# Altium PCB AccessControl_V1.0.1.PcbDoc (part 1 of 3) (continued)
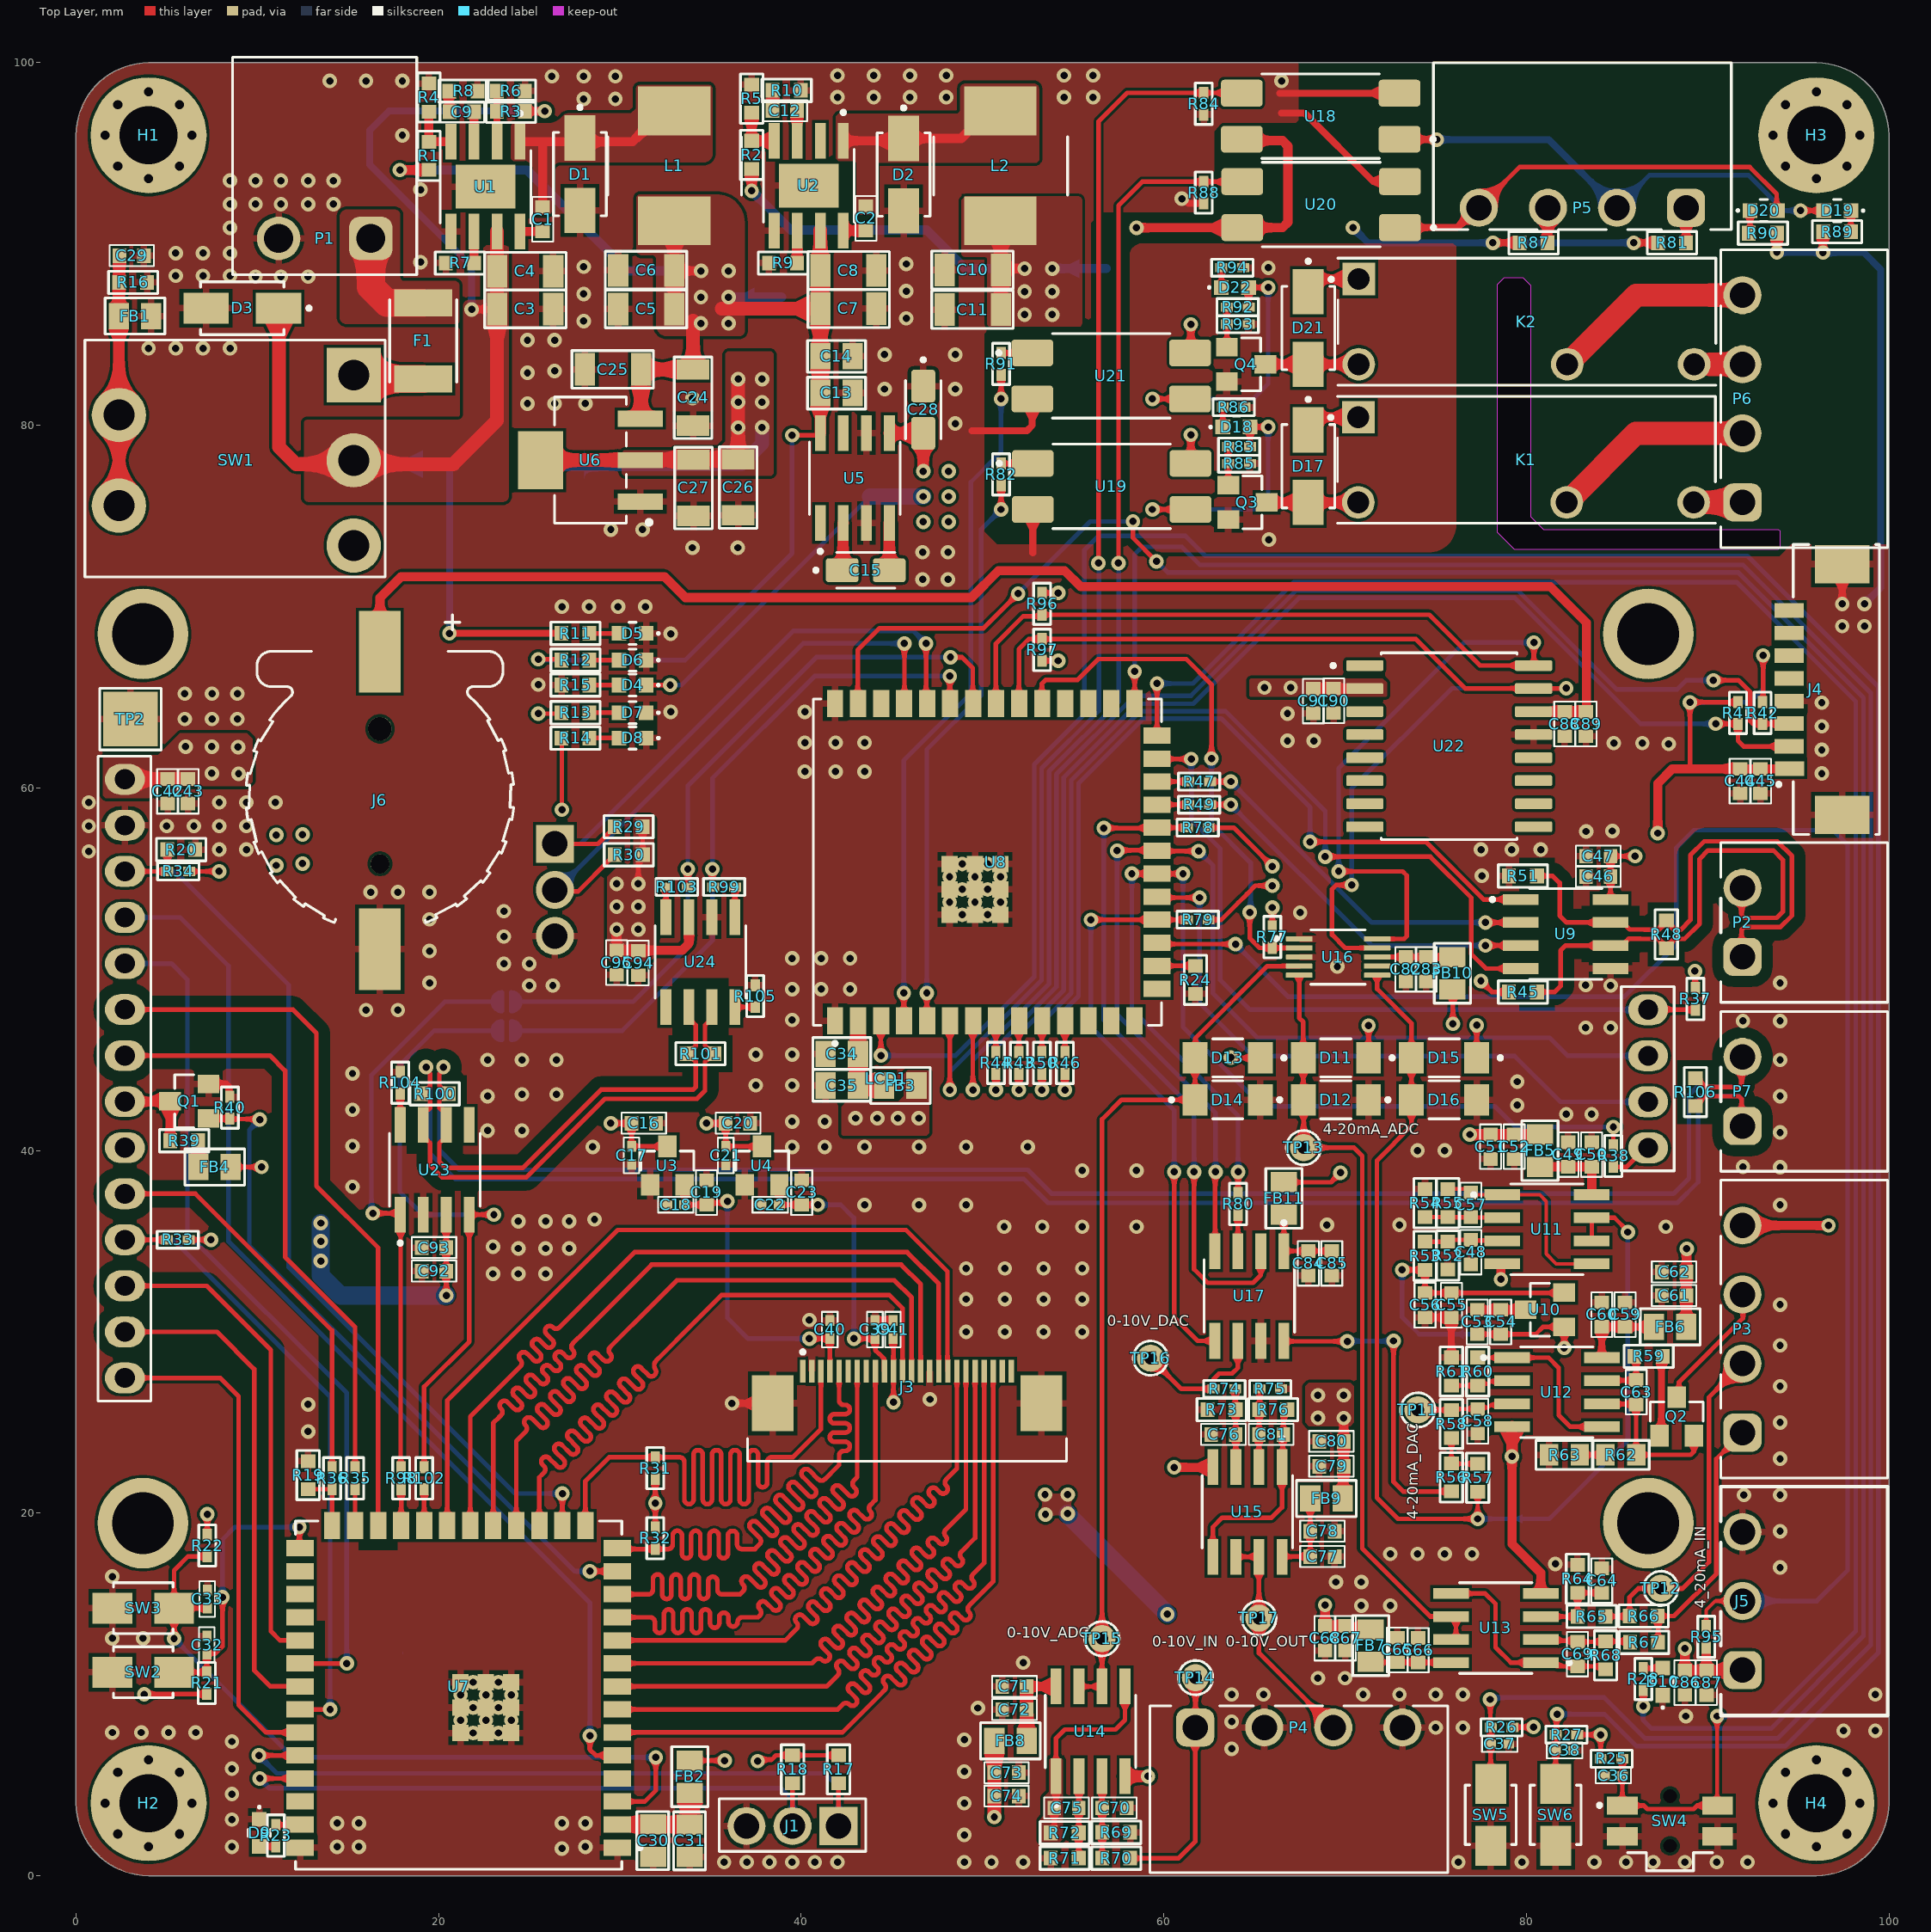
[diagram p0: Top Layer view]
## Components (designator, comment, footprint, x,y, rotation, side; value= is the part's Value field where it differs from the comment) (continued)
R51 "10K/1%/1_10W" Resistor_0603 79.815,55.143 r180 top
R52 "30K/1%/1_10W" Resistor_0603 75.67,34.208 r270 top
R53 "100K/1%/1_10W" Resistor_0603 74.413,34.195 r90 top
R54 "100K/1%/1_10W" Resistor_0603 74.413,37.103 r270 top
R55 "30K/1%/1_10W" Resistor_0603 75.67,37.103 r90 top
R56 "100K/1%/1_10W" Resistor_0603 75.87,21.971 r90 top
R57 "100K/1%/1_10W" Resistor_0603 77.318,21.946 r90 top
R58 "51R/5%/1_10W" Resistor_0603 75.87,24.917 r90 top
R59 "100R/1%/1_8W" Resistor_0603 86.746,28.651 r0 top
R60 "100K/1%/1_10W" Resistor_0603 77.318,27.813 r90 top
R61 "100K/1%/1_10W" Resistor_0603 75.87,27.813 r270 top
R62 "180R/1%/1_8W" Resistor_0805 85.208,23.216 r0 top
R63 "8.2R/5%/1_8W" Resistor_0805 82.098,23.216 r180 top
R64 "100K/1%/1_10W" Resistor_0603 82.825,16.379 r90 top
R65 "100K/1%/1_10W" Resistor_0603 83.6,14.3 r180 top
R66 "150R/1%/1_10W" Resistor_0603 86.471,14.322 r180 top
R67 "100K/1%/1_10W" Resistor_0603 86.497,12.875 r180 top
R68 "100K/1%/1_10W" Resistor_0603 84.375,12.15 r270 top
R69 "30K/1%/1_10W" Resistor_0603 57.381,2.39 r0 top
R70 "100K/1%/1_10W" Resistor_0603 57.381,0.968 r180 top
R71 "100K/1%/1_10W" Resistor_0603 54.537,0.968 r0 top
R72 "30K/1%/1_10W" Resistor_0603 54.537,2.365 r180 top
R73 "100K/1%/1_10W" Resistor_0603 63.193,25.708 r180 top
R74 "30K/1%/1_16W" RESISTOR_0402 63.346,26.854 r0 top
R75 "30K/1%/1_16W" RESISTOR_0402 65.876,26.854 r180 top
R76 "100K/1%/1_10W" Resistor_0603 66.038,25.708 r0 top
R77 "10K/1%/1_16W" RESISTOR_0402 65.989,51.773 r90 top
R78 "10K/1%/1_16W" RESISTOR_0402 61.874,57.809 r0 top
R79 "10K/1%/1_16W" RESISTOR_0402 61.874,52.729 r0 top
R80 "22R/1%/1_16W" RESISTOR_0402 64.1,37.05 r270 top
R81 "1K/1%/1_10W" Resistor_0603 88.036,90.068 r0 top
R82 "220/5%/1_16W" RESISTOR_0402 51.029,77.292 r90 top
R83 "1K/1%/1_16W" RESISTOR_0402 64.158,78.822 r180 top
R84 "10K/1%/1_16W" RESISTOR_0402 62.205,97.739 r90 top
R85 "10K/1%/1_16W" RESISTOR_0402 64.158,77.883 r180 top
R86 "10K/1%/1_16W" RESISTOR_0402 63.858,81.001 r180 top
R87 "1K/1%/1_10W" Resistor_0603 80.404,90.068 r0 top
R88 "10K/1%/1_16W" RESISTOR_0402 62.205,92.837 r90 top
R89 "10K/1%/1_10W" Resistor_0603 97.142,90.678 r0 top
R90 "10K/1%/1_10W" Resistor_0603 93.05,90.6 r180 top
R91 "220/5%/1_16W" RESISTOR_0402 51.029,83.388 r90 top
R92 "1K/1%/1_16W" RESISTOR_0402 64.081,86.519 r180 top
R93 "10K/1%/1_16W" RESISTOR_0402 64.081,85.579 r180 top
R94 "10K/1%/1_16W" RESISTOR_0402 63.781,88.697 r180 top
R95 "10K/1%/1_16W" RESISTOR_0402 89.925,13.175 r270 top
R96 "4.7K/1%/1_16W" RESISTOR_0402 53.289,70.155 r90 top
R97 "4.7K/1%/1_16W" RESISTOR_0402 53.289,67.615 r270 top
R98 "22R/1%/1_16W" RESISTOR_0402 17.934,21.92 r90 top
R99 "22R/1%/1_16W" RESISTOR_0402 35.747,54.534 r180 top
R100 "120R/1%/1_10W" Resistor_0603 19.787,43.129 r0 top
R101 "120R/1%/1_10W" Resistor_0603 34.442,45.339 r0 top
R102 "22R/1%/1_16W" RESISTOR_0402 19.204,21.92 r90 top
R103 "22R/1%/1_16W" RESISTOR_0402 33.147,54.534 r0 top
R104 "10K/1%/1_16W" RESISTOR_0402 17.882,43.739 r90 top
R105 "10K/1%/1_16W" RESISTOR_0402 37.465,48.514 r90 top
R106 "120R/1%/1_10W" Resistor_0603 89.325,43.225 r270 top
SW1 "PWR" MTS-102-C3 2.366,78.07 r0 top locked
SW2 "BLE_Flash" Button_3x4mm_SMD_2P 3.708,11.227 r0 top
SW3 "BLE_Enable" Button_3x4mm_SMD_2P 3.708,14.757 r0 top
SW4 "Button" Button_4.5x4.7mm_SMD_4P 87.925,3.025 r0 top
SW5 "WF_Flash" Button_3x4mm_SMD_2P 78.033,3.358 r90 top
SW6 "WF_Enable" Button_3x4mm_SMD_2P 81.615,3.358 r90 top
TP1 "GND1" TestPoint_Pad_3.0x3.0mm 3,90.5 r180 bottom locked
TP2 "GND2" TestPoint_Pad_3.0x3.0mm 3,63.8 r0 top locked
TP3 "GND3" TestPoint_Pad_3.0x3.0mm 3,63.8 r180 bottom locked
TP4 "VCC" TestPoint_Pad_3.0x3.0mm 20.625,77.826 r90 bottom
TP5 "12V" TestPoint_Pad_3.0x3.0mm 38.913,87.071 r90 bottom
TP6 "5V" TestPoint_Pad_3.0x3.0mm 26.543,77.851 r90 bottom
TP7 "3V3" TestPoint_Pad_3.0x3.0mm 56.82,88.646 r90 bottom
TP8 "3V3" TestPoint_Pad_3.0x3.0mm 43.79,76.073 r180 bottom
TP9 "VREF_0.75V" TestPoint_Pad_3.0x3.0mm 81.275,19.689 r180 bottom
TP10 "2V5" TestPoint_Pad_3.0x3.0mm 78.029,29.87 r180 bottom
TP11 "4-20mA_DAC" TestPoint_THTPad_D1.5mm_Drill0.7mm 74.016,25.692 r90 top
TP12 "4_20mA_IN" TestPoint_THTPad_D1.5mm_Drill0.7mm 87.425,15.85 r90 top
TP13 "4-20mA_ADC" TestPoint_THTPad_D1.5mm_Drill0.7mm 67.716,40.157 r90 top
TP14 "0-10V_IN" TestPoint_THTPad_D1.5mm_Drill0.7mm 61.75,10.925 r0 top
TP15 "0-10V_ADC" TestPoint_THTPad_D1.5mm_Drill0.7mm 56.594,13.076 r90 top
TP16 "0-10V_DAC" TestPoint_THTPad_D1.5mm_Drill0.7mm 59.275,28.55 r90 top
TP17 "0-10V_OUT" TestPoint_THTPad_D1.5mm_Drill0.7mm 65.251,14.208 r90 top
U1 "MP1584EN-LF-Z" SOIC-8E 22.589,93.167 r270 top
U2 "MP1584EN-LF-Z" SOIC-8E 40.419,93.218 r270 top
U3 "XC6206P282MR" SOT-23 32.624,39.174 r0 top
U4 "XC6206P122MR" SOT-23 37.846,39.174 r0 top
U5 "ICL7662CBA" SOIC-8 42.959,77.089 r90 top
U6 "AMS1117-5.0" SOT-223 28.372,78.08 r90 top
U7 "ESP32-S3-WROOM-1U-N16R8" XCVR_ESP32-S3-WROOM-1U-N16R8 21.109,9.964 r180 top
U8 "ESP32-S3-WROOM-1U-N8R2" XCVR_ESP32-S3-WROOM-1U-N16R8 50.277,55.904 r90 top
U9 "MAX3485EESA+" SOIC-8 82.169,51.943 r0 top
U10 "MCP1525T-I/TT" SOT-23 81.026,31.22 r90 top
U11 "NE5532DR" SOIC-8 81.136,35.655 r0 top
U12 "NE5532DR" SOIC-8 81.686,26.67 r0 top
U13 "NE5532DR" SOIC-8 78.319,13.662 r180 top
U14 "NE5532DR" SOIC-8 55.959,7.964 r90 top
U15 "NE5532DR" SOIC-8 64.616,20.069 r270 top
U16 "ADS1115IDGSR" VSSOP-10 69.621,50.673 r0 top
U17 "MCP4822-E/SN" SOIC-8 64.721,31.977 r270 top
U18 "PC817X2NIPW" SOP-4 68.656,97.053 r180 top
U19 "PC817X2NIPW" SOP-4 57.125,76.632 r0 top
U20 "PC817X2NIPW" SOP-4 68.682,92.177 r180 top
U21 "PC817X2NIPW" SOP-4 57.099,82.728 r0 top
U22 "DS3231SN" SOIC-16 75.743,62.306 r0 top
U23 "SN65HVD230DR" SOIC-8 19.787,38.938 r90 top
U24 "SN65HVD230DR" SOIC-8 34.442,50.394 r270 top

## Footprints (in the part's own frame and the unit in brackets; to place one, negate y for a bottom-side part, rotate by r counter-clockwise, add the part's x,y. Pads: shape width x height; smd on the part's side, far side on the other; paste and mask are expansions set on the pad)
Battery_Holder_CR1220 [mm]
  rect 2.3x4.5 smd: N(0,8.425) P(0,-7.975)
  round 1.05 hole 1.05 unplated: ""(0,3.725)
  round 1.3 hole 1.3 unplated: ""(0,-3.725)
  silkscreen extent -7.37,-10 7.37,6.96, body extent -7.37,-9.6 7.37,9.6, height 4.25
BK_LOGO [mm]
  silkscreen extent 2.38,-3.71 44.49,2.21
Button_3x4mm_SMD_2P [mm]
  rect 2.2x1.7 smd: 1(-1.7,0) 2(1.7,0)
  silkscreen extent -1.64,-1.4 1.64,1.4, body extent -2,-1.25 2,1.25, height 1.59
Button_4.5x4.7mm_SMD_4P [mm]
  rect 1.7x1 smd: 1(-2.625,0.847) 2(2.625,0.847) 3(-2.625,-0.853) 4(2.625,-0.853)
  round 0 hole 0.75 unplated: 5(0,1.372) 6(0,-1.378)
  silkscreen extent -3.94,-2.75 2.35,0.91, body extent -3.15,-2.75 3.25,1.79, height 1.65
CAP_0402 [mm]
  rect 0.6x0.5 smd: 1(-0.5,0) 2(0.5,0)
  silkscreen extent -0.98,-0.43 0.98,0.43, body extent -0.5,-0.25 0.5,0.25, height 0.5
CAP_0603 [mm]
  rect 0.75x0.8 smd: 1(-0.675,0) 2(0.675,0)
  silkscreen extent -1.23,-0.58 1.23,0.58, body extent -0.8,-0.4 0.8,0.4, height 0.8
CAP_0805 [mil]
  rect 44x57 smd: 1(-35.11,0) 2(35.31,0)
  silkscreen extent -63,-34 63,35, body extent -39,-25 39,25, height 49
CAP_1206 [mil] "Chip Capacitor, 2-Leads, Body 3.20x1.60mm, IPC Medium Density"
  rect 44x71 smd: 1(-61,0) 2(61,0)
  silkscreen extent -89,-41 88,41, body extent -63,-31 63,31, height 63
D_SMA [mm]
  rect 2.5x1.7 smd: 1(-2,0) 2(2,0)
  silkscreen extent -3.78,-1.46 2.3,1.46, body extent -2.63,-1.35 2.37,1.35, height 2.22
Ferrite_Bead_0805 [mil] "Ferrite  Bead, body 2.00x1.20mm"
  rect 44x57 smd: 1(-35.11,0) 2(35.11,0)
  silkscreen extent -65,-39 65,39, body extent -39,-25 39,25, height 41
FPC_0.5mm_24P [mm]
  rect 0.3x1.25 smd: 1(-5.75,1.775) 2(-5.25,1.775) 3(-4.75,1.775) 4(-4.25,1.775) 5(-3.75,1.775) 6(-3.25,1.775) 7(-2.75,1.775) 8(-2.25,1.775) 9(-1.75,1.775) 10(-1.25,1.775) 11(-0.75,1.775) 12(-0.25,1.775) 13(0.25,1.775) 14(0.75,1.775) 15(1.25,1.775) 16(1.75,1.775) 17(2.25,1.775) 18(2.75,1.775) 19(3.25,1.775) 20(3.75,1.775) 21(4.25,1.775) 22(4.75,1.775) 23(5.25,1.775) 24(5.75,1.775)
  rect 2.3x3.1 smd: SH1(-7.42,0) SH2(7.42,0)
  silkscreen extent -8.8,-3.2 8.8,2.93, body extent -8.71,-3.18 8.71,1.92, height 2.1
FUSER_MF-MSMF075/24-2 [mm]
  rect 1.5x3.2 smd: 1(-2.1,0) 2(2.1,0)
  silkscreen extent -2.27,-1.85 2.27,1.85, body extent -2.27,-1.62 2.27,1.62, height 0.85
Header_2.54mm_3P [mm] "Vertical PCB Header, pitch 2.54mm, 3p"
  rect 2.1x2.1 hole 1.4: 1(0,0)
  round 2.1 hole 1.4: 2(2.54,0) 3(5.08,0)
  silkscreen extent -1.5,-1.5 6.58,1.4, body extent -1.28,-1.26 6.34,1.28, height 9.09
Inductor_0630 [mm] "SMD Power Inductor, body 7x7x3mm"
  rect 2.7x4 smd: 1(-3.025,0) 2(3.025,0)
  silkscreen extent -1.6,-3.68 1.6,3.71, body extent -3.45,-3.6 3.45,3.6, height 3.01
LCD_TFT_ILI9341_3.2 [mm]
  oval 1.7x2.2 hole 1.1 mask+0.102: 1(-16.688,-42.266) 2(-14.148,-42.266) 3(-11.608,-42.266) 4(-9.068,-42.266) 5(-6.528,-42.266) 6(-3.988,-42.266) 7(-1.448,-42.266) 8(1.092,-42.266) 9(3.632,-42.266) 10(6.172,-42.266) 11(8.712,-42.266) 12(11.252,-42.266) 13(13.792,-42.266) 14(16.332,-42.266) 15(-3.978,41.764) 16(-1.438,41.764) 17(1.102,41.764) 18(3.642,41.764)
  round 5 / inner oval 1.5x2 / far side round 5 hole 3.4 mask+0.102: NC(-24.698,41.764) NC(-24.698,-41.266) NC(24.342,41.764) NC(24.342,-41.266)
  silkscreen extent -17.96,-43.75 17.6,43.2, body extent -27.57,-44.19 27.47,45.11, height 16.7
LED_0603Y [mil]
  rect 32x32 smd: A(29.53,0) C(-29.53,0)
  silkscreen extent -57,-24 8,24, body extent -31,-16 31,16, height 24
MountingHole_3.2mm_M3_Pad_Via [mm]
  round 0.8 hole 0.5: 1(-2.4,0) 1(-1.697,-1.697) 1(-1.697,1.697) 1(0,-2.4) 1(0,2.4) 1(1.697,-1.697) 1(1.697,1.697) 1(2.4,0)
  round 6.4 hole 3.2 paste-2539.97 mask+0: 1(0,0)
MTS-102-C3 [mm]
  rect 3x3 hole 1.7: 1(12.95,4.7)
  round 3 hole 1.7: 2(12.95,0) 3(12.95,-4.7) SH(0,-2.5) SH(0,2.5)
  silkscreen extent -1.88,-6.43 14.68,6.63, body extent -18.33,-6.6 13.55,6.6, height 7.9
MX_1.25mm_8P [mm]
  rect 0.8x1.6 smd: 1(-4.363,1.434) 2(-3.137,1.466) 3(-1.887,1.466) 4(-0.637,1.466) 5(0.613,1.466) 6(1.863,1.466) 7(3.113,1.466) 8(4.363,1.466)
  rect 2.1x3 smd: SH1(-6.913,-1.466) SH2(6.913,-1.466)
  silkscreen extent -8,-3.52 8,2.13, body extent -7.62,-3.28 7.53,1.92, height 3.4
RELAY_HF46F_005-HS1 [mm]
  rect 1.8x1.8 / inner round 1.8 / far side rect 1.8x1.8 hole 1.2: 1(-9.2,2.35)
  round 1.8 hole 1.2: 2(-9.2,-2.35) 3(2.3,-2.35) 4(9.3,-2.35)
  silkscreen extent -10.82,-3.5 10.5,3.5, body extent -10.11,-3.58 10.39,3.42, height 15.6
RESISTOR_0402 [mil] "Chip Resistor, 2-Leads, Body 1.50x0.60mm, IPC Medium Density"
  rect 26x20 smd: 1(-23.62,0) 2(23.62,0)
  silkscreen extent -45,-19 45,19, body extent -20,-10 20,10, height 14
Resistor_0603 [mil]
  rect 30x32 smd: 1(-30.5,0) 2(30.5,0)
  silkscreen extent -54,-24 54,24, body extent -31,-16 31,16, height 18
Resistor_0805 [mil] "Chip Resistor, 2-Leads, Body 2,00x1,20mm, IPC Medium Density"
  rect 40x47 smd: 1(-33.5,0) 2(33.5,0)
  silkscreen extent -62,-31 62,31, body extent -39,-24 39,24, height 18
SOD-80 [mm]
  rect 1.37x1.73 smd: A(1.8,0) C(-1.8,0)
  silkscreen extent -3.2,-1.05 0.83,1.05, body extent -1.75,-0.76 1.75,0.83, height 1.6
SOIC-8 [mm]
  rect 1.97x0.6 smd: 1(-2.475,1.905) 2(-2.475,0.635) 3(-2.475,-0.635) 4(-2.475,-1.905) 5(2.475,-1.905) 6(2.475,-0.635) 7(2.475,0.635) 8(2.475,1.905)
  silkscreen extent -4.14,-2.5 2,2.5, body extent -3,-2.45 3,2.45, height 1.7
SOIC-8E [mm]
  rect 1.97x0.6 smd: 1(-2.475,1.905) 2(-2.475,0.635) 3(-2.475,-0.635) 4(-2.475,-1.905) 5(2.475,-1.905) 6(2.475,-0.635) 7(2.475,0.635) 8(2.475,1.905)
  rect 2.41x3.3 smd paste-3: 9(0,0)
  silkscreen extent -4.14,-2.5 2,2.5, body extent -3,-2.45 3,2.45, height 1.7
SOIC-16 [mm]
  rrect25% 2.05x0.59 smd: 1(-4.655,4.445) 2(-4.655,3.175) 3(-4.655,1.905) 4(-4.655,0.635) 5(-4.655,-0.635) 6(-4.655,-1.905) 7(-4.655,-3.175) 8(-4.655,-4.445) 9(4.655,-4.445) 10(4.655,-3.175) 11(4.655,-1.905) 12(4.655,-0.635) 13(4.655,0.635) 14(4.655,1.905) 15(4.655,3.175) 16(4.655,4.445)
  silkscreen extent -6.5,-5.15 3.75,5.15, body extent -5.16,-5.15 5.16,5.15, height 2.65
SolderBridgeOpen [mil]
  round 10 smd mask+0: 1(18,0) 2(-18,0)
  Top Layer region: 10,20 10,-20 19,-20 30,-9 30,10 20,20
  Top Layer region: -10,20 -10,-20 -19,-20 -30,-9 -30,10 -20,20
  Top Layer lines w10: 10,-20 ccw(c10,0) 10,20 10,-20 ; -10,-20 cw(c-10,0) -10,20 -10,-20
  silkscreen extent -34,-34 34,34
SOP-4 [mm]
  rrect25% 2.3x1.48 smd: 1(-4.35,1.27) 2(-4.35,-1.27) 3(4.35,-1.27) 4(4.35,1.27)
  silkscreen extent -6.3,-2.33 3.25,2.33, body extent -4.87,-2.29 4.87,2.29, height 4
SOT-23 [mm]
  rect 1.016x1.2 smd: 1(-0.95,-1.06) 2(0.95,-1.06) 3(0,1.06)
  silkscreen extent -1.46,-0.25 1.46,0.8, body extent -1.45,-1.37 1.45,1.43, height 1.3
SOT-223 [mil]
  rect 35x98 smd paste+0 mask+0: 1(-90.16,-108.5) 2(0,-108.5) 3(90.16,-108.5)
  rect 126x98 smd paste+0 mask+0: 4(0,108.5)
  silkscreen extent -139,-132 137,78, body extent -132,-144 132,144, height 71
TanTa_Cap_A [mm] "Size 1206"
  rrect25% 1.81x1.32 smd: 1(-1.3,0) 2(1.3,0)
  silkscreen extent -2.85,-0.98 1.6,0.98, body extent -1.6,-0.8 1.6,0.8, height 1.8
Terminal_Block_3.81mm_2P [mm] "Horizontal PCB Header, pitch 3.81mm, 02p"
  rrect50% 2.1x2.1 hole 1.4: 1(-1.905,3.4)
  round 2.1 hole 1.4: 2(1.905,3.4)
  silkscreen extent -4.4,-4.6 4.41,4.6, body extent -4.4,-4.6 4.41,4.6, height 7.25
Terminal_Block_3.81mm_3P [mm] "Horizontal PCB Header, pitch 3.81mm, 03p"
  rrect50% 2.1x2.1 hole 1.4: 1(-3.81,3.4)
  round 2.1 hole 1.4: 2(0,3.4) 3(3.81,3.4)
  silkscreen extent -6.31,-4.6 6.31,4.6, body extent -6.31,-4.6 6.31,4.6, height 7.25
Terminal_Block_3.81mm_4P [mm] "Horizontal PCB Header, pitch 3.81mm, 04p"
  rrect50% 2.1x2.1 hole 1.4: 1(-5.715,3.4)
  round 2.1 hole 1.4: 2(-1.905,3.4) 3(1.905,3.4) 4(5.715,3.4)
  silkscreen extent -8.21,-4.6 8.22,4.6, body extent -8.21,-4.6 8.22,4.6, height 7.25
Terminal_Block_5.08mm_2P [mm] "5,08mm - PCB Headers - Horizontal - Opened ends - 02p"
  rrect50% 2.4x2.4 hole 1.6: 1(-2.54,4)
  round 2.4 hole 1.6: 2(2.54,4)
  silkscreen extent -5.08,-6 5.08,6, body extent -5.08,-6 5.08,6, height 8.55
TestPoint_Pad_3.0x3.0mm [mm]
  rect 3x3 smd paste-2539.97 mask+0: 1(0,0)
  silkscreen extent -1.7,-1.7 1.7,1.7
TestPoint_THTPad_D1.5mm_Drill0.7mm [mm]
  round 1.5 / inner round 1.524 / far side round 1.5 hole 0.7 paste-2539.97 mask+0: 1(0,0)
  silkscreen extent -0.95,-0.95 0.95,0.95
VSSOP-10 [mm]
  rrect25% 1.47x0.28 smd: 1(-2.15,1) 2(-2.15,0.5) 3(-2.15,0) 4(-2.15,-0.5) 5(-2.15,-1) 6(2.15,-1) 7(2.15,-0.5) 8(2.15,0) 9(2.15,0.5) 10(2.15,1)
  silkscreen extent -3.52,-1.5 1.5,1.5, body extent -2.45,-1.5 2.45,1.5, height 1.1
XCVR_ESP32-S3-WROOM-1U-N16R8 [mm]
  rect 1.5x0.9 smd: 1(-8.75,8.41) 2(-8.75,7.14) 3(-8.75,5.87) 4(-8.75,4.6) 5(-8.75,3.33) 6(-8.75,2.06) 7(-8.75,0.79) 8(-8.75,-0.48) 9(-8.75,-1.75) 10(-8.75,-3.02) 11(-8.75,-4.29) 12(-8.75,-5.56) 13(-8.75,-6.83) 14(-8.75,-8.1) 27(8.75,-8.1) 28(8.75,-6.83) 29(8.75,-5.56) 30(8.75,-4.29) 31(8.75,-3.02) 32(8.75,-1.75) 33(8.75,-0.48) 34(8.75,0.79) 35(8.75,2.06) 36(8.75,3.33) 37(8.75,4.6) 38(8.75,5.87) 39(8.75,7.14) 40(8.75,8.41)
  rect 0.9x1.5 smd: 15(-6.985,-9.35) 16(-5.715,-9.35) 17(-4.445,-9.35) 18(-3.175,-9.35) 19(-1.905,-9.35) 20(-0.635,-9.35) 21(0.635,-9.35) 22(1.905,-9.35) 23(3.175,-9.35) 24(4.445,-9.35) 25(5.715,-9.35) 26(6.985,-9.35)
  rect 0.9x0.9 smd: 41_1(-2.9,2.09) 41_2(-1.5,2.09) 41_3(-0.1,2.09) 41_4(-2.9,0.69) 41_5(-1.5,0.69) 41_6(-0.1,0.69) 41_7(-2.9,-0.71) 41_8(-1.5,-0.71) 41_9(-0.1,-0.71)
  round 0.8 hole 0.4 mask+0: 41_10(-2.2,2.09) 41_11(-0.8,2.09) 41_12(-2.9,1.39) 41_13(-1.5,1.39) 41_14(-0.1,1.39) 41_15(-2.2,0.69) 41_16(-0.8,0.69) 41_17(-2.9,-0.01) 41_18(-1.5,-0.01) 41_19(-0.1,-0.01) 41_20(-2.2,-0.71) 41_21(-0.8,-0.71)
  silkscreen extent -10.1,-9.6 9,9.6, body extent -9,-9.6 9,9.6, height 3.35

## Part data
C1 C2 C29 C42 C45 C46 C49 C51 C54 C55 C59 C61 C63 C65 C67 C71 C73 C77 C79 C82 C84 C87 C88 C90 C93 C95: library part Ceramic_Cap_100nF_50V_0603, "CAP, size 0603, 100nF, 50V", Supply Part Number="Tụ Gốm 0603 100nF (0.1uF) 50V", Supply Name=Thegioiic, Supply URL=https://www.thegioiic.com/tu-gom-0603-100nf-0-1uf-50v
C3 C7 C24 C27: library part Ceramic_Cap_10uF_35V_1206, "CAP, size 1206, 10uF, 35V", Supply Part Number="Tụ Gốm 1206 10uF 35V", Supply Name=Thegioiic, Supply URL=https://www.thegioiic.com/tu-gom-1206-10uf-35v
C4 C8 C25 C26: library part Ceramic_Cap_100nF_50V_1206, "CAP, size 1206, 100nF, 50V", Supply Part Number="Tụ Gốm 1206 100nF (0.1uF) 50V", Supply Name=Thegioiic, Supply URL=https://www.thegioiic.com/tu-gom-1206-100nf-0-1uf-50v
C5 C6 C10 C11: library part Ceramic_Cap_47uF_16V_1206, "CAP, size 1206, 47uF, 16V", Supply Part Number="Tụ Gốm 1206 47uF 16V", Supply Name=Thegioiic, Supply URL=https://www.thegioiic.com/tu-gom-1206-47uf-16v
C9 C12: library part Ceramic_Cap_150pF_50V_0603, "CAP, size 0603, 150pF, 50V", Supply Part Number="Tụ Gốm 0603 150pF 50V", Supply Name=Thegioiic, Supply URL=https://www.thegioiic.com/tu-gom-0603-150pf-50v
C13 C30 C34: library part Ceramic_Cap_100nF_50V_0805, "CAP, size 0805, 100nF, 50V", Supply Part Number="Tụ Gốm 0805 100nF (0.1uF) 50V", Supply Name=Thegioiic, Supply URL=https://www.thegioiic.com/tu-gom-0805-100nf-0-1uf-50v
C14: library part Ceramic_Cap_10uF_50V_0805, "CAP, size 0805, 10uF, 50V", Supply Part Number="Tụ Gốm 0805 10uF 50V", Supply Name=Thegioiic, Supply URL=https://www.thegioiic.com/tu-gom-0805-10uf-50v
C15 C28: library part Tanta_Cap_10uF_16V_1206, "Tantalum Capacitors 10uF 16V 1206", Supply Part Number=AVX, Supply Name="1206 AVX"
C16 C19 C20 C23 C56: library part Ceramic_Cap_10uF_6.3V_0603, "CAP, size 0603, 10uF, 6.3V", Supply Part Number=CC0603KRX5R5BB106, Supply Name=tme, Supply URL=http://www.tme.vn/Product.aspx?id=1165#page=pro_info
C17 C18 C21 C22 C32 C33 C36 C37 C38 C39 C40 C41: library part Ceramic_Cap_100nF_50V_0402, "CAP, size 0402, 100nF, 50V", Supply Part Number="Tụ Gốm 0402 100nF (0.1uF) 50V", Supply Name=Thegioiic, Supply URL=https://www.thegioiic.com/tu-gom-0402-100nf-0-1uf-50v
C31 C35: library part Ceramic_Cap_22uF_6.3V_0805, "CAP, size 0805, 22uF, 6.3V", Supply Part Number="Tụ Gốm 0805 22uF 6.3V", Supply Name=Thegioiic, Supply URL=https://www.thegioiic.com/tu-gom-0805-22uf-6-3v
C43 C44 C47 C50 C52 C53 C60 C62 C66 C68 C72 C74 C78 C80 C83 C85 C86 C89 C91 C92 C94: library part Ceramic_Cap_10uF_16V_0603, "CAP, size 0603, 10uF, 16V", Supply Part Number="Tụ Gốm 0603 10uF 16V", Supply Name=Thegioiic, Supply URL=https://www.thegioiic.com/tu-gom-0603-10uf-16v
C48 C57 C64 C69 C70 C75 C76 C81: library part Ceramic_Cap_2.2nF_50V_0603, "CAP, size 0603, 2.2nF, 50V", Supply Part Number=CC0603KRX7R9BB222, Supply Name=tme, Supply URL=http://www.tme.vn/Product.aspx?id=1310#page=pro_info
C58: library part Ceramic_Cap_470pF_50V_0603, "CAP, size 0603, 470pF, 50V", Supply Part Number="Tụ Gốm 0603 470pF 50V", Supply Name=Thegioiic, Supply URL=https://www.thegioiic.com/tu-gom-0603-470pf-50v
D1 D2 D3 D17 D21: library part Diode_SS54, "Diode Schottky 40V 5A Surface Mount SMA", Supply Part Number="SS54 SMA Diode Shotky 5A 40V", datasheet=https://www.thegioiic.com/upload/documents/dc8a63b3eda4738bc390d9dc570a4e18.pdf, Supply Name=Thegioiic, Supply URL=https://www.thegioiic.com/ss54-sma-diode-shotky-5a-40v
D4 D5 D6 D7 D8 D9 D10 D18 D19 D20 D22: library part LED_Yellow_0603, "LED Yellow 0603", Supply Part Number="LED Vàng 0603 Dán SMD Trong Suốt Harvatek", Supply Name=Thegioiic, Supply URL=https://www.thegioiic.com/led-vang-0603-dan-smd-trong-suot-harvatek
D11 D12 D13 D14 D15 D16: library part Diode_BZV55C3V3, "DIODE ZENER 3.3V 500 mW", datasheet=https://www.alldatasheet.com/datasheet-pdf/view/17578/PHILIPS/BZV55.html, Supply Name=tme, Supply Part Number=BZV55-C3V3, Supply URL=http://www.tme.vn/Product.aspx?id=1871#page=pro_info
F1: library part Fuse_24V_0.75A_1812, "MF-MSMF075/24-2 Cầu Chì Tự Phục Hồi 1812 24V 0.75A", datasheet=https://www.bourns.com/docs/product-datasheets/mf-msmf.pdf?sfvrsn=4a75e5c0_64, Supply Name=Thegioiic, Supply Part Number="MF-MSMF075/24-2 Cầu Chì Tự Phục Hồi 1812 24V 0.75A", Supply URL=https://www.thegioiic.com/mf-msmf075-24-2-cau-chi-tu-phuc-hoi-1812-24v-0-75a
FB1 FB2 FB3 FB4 FB5 FB6 FB7 FB8 FB9 FB10 FB11: library part Ferrite_Bead_120Ohm_2A_0805, "Ferrite Bead, size 0805, 120Ohm, 2A", Supply Part Number="CBW201209U121T Ferrite Beads 2A 120 Ohm 0805", Supply Name=Thegioiic, Supply URL=https://www.thegioiic.com/cbw201209u121t-ferrite-beads-2a-120-ohm-0805
H1 H2 H3 H4: library part MountingHole
J1 J2: library part Header_2.54mm_3P, "Hàng Rào Đực Đơn 2.54mm 40 Chân 1 Hàng Cao 11.2mm Xuyên Lỗ", Supply Name=Thegioiic, Supply Part Number="Hàng Rào Đực Đơn 2.54mm 40 Chân 1 Hàng Cao 11.2mm Xuyên Lỗ", Supply URL=https://www.thegioiic.com/hang-rao-duc-don-2-54mm-40-chan-1-hang-cao-11-2mm-xuyen-lo
J3: library part FPC_0.5mm_24P, "Cổng FPC 24 Chân 0.5mm Tiếp Điểm Trên, 0.4A 50V", Supply Part Number="Cổng FPC 24 Chân 0.5mm Tiếp Điểm Trên", Supply Name=Thegioiic, Supply URL=https://www.thegioiic.com/cong-fpc-24-chan-0-5mm-tiep-diem-tren
J4: library part MX_1.25mm_8P, "Đầu MX1.25mm 8 Chân Dán SMD Thẳng Đứng", Supply Name=Thegioiic, Supply Part Number="Đầu MX1.25mm 8 Chân Dán SMD Thẳng Đứng", Supply URL=https://www.thegioiic.com/dau-mx1-25mm-8-chan-dan-smd-thang-dung
J5: library part Terminal_Block_3.81mm_3P, "Terminal Block THT, pitch 3.81mm, 3p, 300V 10A", Supply Part Number="UL-3.81-3-R Terminal Block Plug-in Hàn PCB 3 Chân Cong 3.81mm 300V 10A ULO", Supply Name=Thegioiic, Supply URL=https://www.thegioiic.com/ul-3-81-3-r-terminal-block-plug-in-han-pcb-3-chan-cong-3-81mm-300v-10a-ulo
J6: library part Battery_Holder_CR1220, "Coin Cell Battery Retainer, Horizontal SMT, for CR1220 Coin Cell Batteries, Tape & Reeled", Supply Part Number="Đế Pin CR1220 Dán SMD", Supply Name=Thegioiic, Supply URL=https://www.thegioiic.com/de-pin-cr1220-dan-smd
K1 K2: "4 chân xuyên lỗ", Supply Part Number="HF46F 12-HS1 Rơ Le 12VDC 5A SPST-NO 4 Chân", datasheet=https://www.thegioiic.com/upload/documents/1734591411_HF-Xiamen-Hongfa-Electroacoustic-HF46F.pdf, Supply Name=Thegioiic, Supply URL=https://www.thegioiic.com/hf46f-12-hs1-ro-le-12vdc-5a-spst-no-4-chan
L1 L2: library part IND_10uH_0630, "10uH, 4A, Size 0630", Supply Part Number="Cuộn cảm 10UH 0630", Supply Name=icdayroi, Supply URL=https://icdayroi.com/cuon-cam-10uh-0630
LCD1: library part "LCD TFT", Supply Part Number="LCD 3.2inch 320x240 TFT ILI9341 Cảm Ứng Điện Trở SPI", Supply Name=Thegioiic, Supply URL=https://www.thegioiic.com/lcd-3-2inch-320x240-tft-ili9341-cam-ung-dien-tro-spi
P1: library part Terminal_Block_5.08mm_2P, "Terminal Block THT, pitch 5.08mm, 2p, 300V, 10A", Supply Part Number="UL-5.08-2-R Terminal Block Plug-in Hàn PCB 2 Chân Cong 5.08mm 300V 15A ULO", Supply Name=Thegioiic, Supply URL=https://www.thegioiic.com/ul-5-08-2-r-terminal-block-plug-in-han-pcb-2-chan-cong-5-08mm-300v-15a-ulo
P2 P7: library part Terminal_Block_3.81mm_2P, "Terminal Block THT, pitch 3.81mm, 2p, 300V, 10A", Supply Part Number="UL-3.81-2-R Terminal Block Plug-in Hàn PCB 2 Chân Cong 3.81mm 300V 10A ULO", Supply Name=Thegioiic, Supply URL=https://www.thegioiic.com/ul-3-81-2-r-terminal-block-plug-in-han-pcb-2-chan-cong-3-81mm-300v-10a-ulo
P3 P4 P5 P6: library part Terminal_Block_3.81mm_4P, "Terminal Block THT, pitch 3.81mm, 4p, 300V 10A", Supply Part Number="UL-3.81-4-R Terminal Block Plug-in Hàn PCB 4 Chân Cong 3.81mm 300V 10A ULO", ComponentLink1Description="Website Link", ComponentLink1URL=https://www.we-online.com/redexpert/article/691322310004?ad, ComponentLink2Description="Datasheet Link", ComponentLink2URL=https://www.we-online.com/redexpert/spec/691322310004?ad, Supply Name=Thegioiic, Supply URL=https://www.thegioiic.com/ul-3-81-4-r-terminal-block-plug-in-han-pcb-4-chan-cong-3-81mm-300v-10a-ulo
Q1: "SI2308 SOT23 MOSFET N-CH 2A 60V", datasheet=https://www.mouser.vn/datasheet/2/427/si2308bd-1765649.pdf, Supply Name=BanLinhKien, Supply Part Number="SI2308 SOT23 MOSFET N-CH 2A 60V", Supply URL=https://banlinhkien.com/si2308-sot23-mosfet-nch-2a-60v-smda8s-5c-p15289840.html
Q2 Q3 Q4: "Điện áp Vce max: 40V, dòng Ic max: 0.6A, công suất: 0.3W", Supply Part Number="MMBT2222A 1P Transistor NPN 40V 0.6A 3 Chân SOT-23", datasheet=https://www.thegioiic.com/upload/documents/1734592311_MMBT2222A.pdf, Supply Name=Thegioiic, Supply URL=https://www.thegioiic.com/mmbt2222a-1p-transistor-npn-40v-0-6a-3-chan-sot-23
R1: library part Res_180K_0603_1%, "Resistor 0603 180KOhm 1% 1_10W", Supply Part Number="Điện Trở 180 KOhm 0603 1%", Supply Name=Thegioiic, Supply URL=https://www.thegioiic.com/dien-tro-180-kohm-0603-1-
R2: library part Res_75K_0603_1%, "Resistor 0603 75KOhm 1% 1_10W", Supply Part Number="Điện Trở 75 KOhm 0603 1%", Supply Name=Thegioiic, Supply URL=https://www.thegioiic.com/dien-tro-75-kohm-0603-1-
R3 R7 R8 R9 R10 R53 R54 R56 R57 R60 R61 R64 R65 R67 R68 R70 R71 R73 R76: library part Res_100K_0603_1%, "Resistor 0603 100KOhm 1% 1_10W", Supply Part Number="Điện Trở 100 KOhm 0603 1%", Supply Name=Thegioiic, Supply URL=https://www.thegioiic.com/dien-tro-100-kohm-0603-1-
R4: library part Res_13K_0603_1%, "Resistor 0603 13KOhm 1% 1_10W", Supply Part Number="Điện Trở 13 KOhm 0603 1%", Supply Name=Thegioiic, Supply URL=https://www.thegioiic.com/dien-tro-13-kohm-0603-1-
R5: library part Res_24K_0603_5%, "Resistor 0603 24KOhm 5% 1_10W", Supply Part Number="Điện Trở 24 KOhm 0603 5%", Supply Name=Thegioiic, Supply URL=https://www.thegioiic.com/dien-tro-24-kohm-0603-5-
R6: library part Res_10.2K_0603_1%, "Resistor 0603 10.2KOhm 1% 1_10W", Supply Part Number="Điện Trở 10.2 KOhm 0603 1%", Supply Name=Thegioiic, Supply URL=https://www.thegioiic.com/dien-tro-10-2-kohm-0603-1-
R11 R12 R13 R14 R15: library part Res_4.7K_0603_1%, "Resistor 0603 4.7KOhm 1% 1_10W", Supply Part Number="Điện Trở 4.7 KOhm 0603 1%", Supply Name=Thegioiic, Supply URL=https://www.thegioiic.com/dien-tro-4-7-kohm-0603-1-
R16 R17 R18 R19 R20 R24 R29 R30 R45 R51 R89 R90: library part Res_10K_0603_1%, "Resistor 0603 10KOhm 1% 1_10W", Supply Part Number="Điện Trở 10 KOhm 0603 1%", Supply Name=Thegioiic, Supply URL=https://www.thegioiic.com/dien-tro-10-kohm-0603-1-
R21 R22 R25 R26 R27 R33 R34 R37 R40 R41 R42 R77 R78 R79 R84 R85 R86 R88 R93 R94 R95 R104 R105: library part Res_10K_0402_1%, "Resistor 0402 10KOhm 1% 1_16W", Supply Part Number="Điện Trở 10 KOhm 0402 1%", Supply Name=Thegioiic, Supply URL=https://www.thegioiic.com/dien-tro-10-kohm-0402-1-
R23 R28 R83 R92: library part Res_1K_0402_1%, "Resistor 0402 1KOhm 1% 1_16W", Supply Part Number="Điện Trở 1 KOhm 0402 1%", Supply Name=Thegioiic, Supply URL=https://www.thegioiic.com/dien-tro-1-kohm-0402-1-
R31 R32 R96 R97: library part Res_4.7K_0402_1%, "Resistor 0402 4.7KOhm 1% 1_16W", Supply Part Number="Điện Trở 4.7 KOhm 0402 1%", Supply Name=Thegioiic, Supply URL=https://www.thegioiic.com/dien-tro-4-7-kohm-0402-1-
R35 R36 R38 R43 R44 R46 R47 R49 R50 R80 R98 R99 R102 R103: library part Res_22R_0402_1%, "Resistor 0402 22 Ohm 1% 1_16W"
R39 R81 R87: library part Res_1K_0603_1%, "Resistor 0603 1KOhm 1% 1_10W", Supply Part Number="Điện Trở 1 KOhm 0603 1%", Supply Name=Thegioiic, Supply URL=https://www.thegioiic.com/dien-tro-1-kohm-0603-1-
R48 R100 R101 R106: library part Res_120R_0603_1%, "Resistor 0603 120 Ohm 1% 1_10W", Supply Part Number="Điện Trở 120 Ohm 0603 1%", Supply Name=Thegioiic, Supply URL=https://www.thegioiic.com/dien-tro-120-ohm-0603-1-
R52 R55 R69 R72: library part Res_30K_0603_1%, "Resistor 0603 30KOhm 1% 1_10W", Supply Part Number="Điện Trở 30 KOhm 0603 1%", Supply Name=LinhkienX, Supply URL=https://linhkienx.com/vi/dien-tro-30-kohm-0603-1-
R58: library part Res_51R_0603_5%, "Resistor 0603 51 Ohm 5% 1_10W", Supply Part Number="Điện Trở 51 Ohm 0603 5%", Supply Name=Thegioiic, Supply URL=https://www.thegioiic.com/dien-tro-51-ohm-0603-5-
R59: library part Res_100R_0805_1%, "Resistor 0805 100 Ohm 1% 1_8W", Supply Part Number="Điện Trở 100 Ohm 0805 1%", Supply Name=Thegioiic, Supply URL=https://www.thegioiic.com/dien-tro-100-ohm-0805-1-
R62: library part Res_180R_0805_1%, "Resistor 0805 180 Ohm 1% 1_8W", Supply Part Number="Điện Trở 180 Ohm 0805 1%", Supply Name=Thegioiic, Supply URL=https://www.thegioiic.com/dien-tro-180-ohm-0805-1-
R63: library part Res_8.2R_0805_5%, "Resistor 0805 8.2 Ohm 5% 1_8W", Supply Part Number="Điện Trở 8.2 Ohm 0805 5%", Supply Name=Thegioiic, Supply URL=https://www.thegioiic.com/dien-tro-8-2-ohm-0805-5-
R66: library part Res_150R_0603_1%, "Resistor 0603 150 Ohm 1% 1_10W", Supply Part Number="Điện Trở 150 Ohm 0603 1%", Supply Name=Thegioiic, Supply URL=https://www.thegioiic.com/dien-tro-150-ohm-0603-1-
R74 R75: library part Res_30K_0402_1%, "Resistor 0402 30KOhm 1% 1_16W", Supply Part Number="Điện Trở 30 KOhm 0402 1%", Supply Name=Thegioiic, Supply URL=https://www.thegioiic.com/dien-tro-30-kohm-0402-1-
R82 R91: library part Res_220R_0402_5%, "Resistor 0402 220 Ohm 5% 1_16W", Supply Part Number="Điện Trở 220 Ohm 0402 5%", Supply Name=Thegioiic, Supply URL=https://www.thegioiic.com/dien-tro-220-ohm-0402-5-
SW1: library part MTS-102-C3, "Switch Toggle", Supply Part Number="MTS-102-C3 Công Tắc Toggle ON-ON Gạt Giữ 3 Chân Cong 6A 125VAC", Supply Name=Thegioiic, Supply URL=https://www.thegioiic.com/mts-102-c3-cong-tac-toggle-on-on-gat-giu-3-chan-cong-6a-125vac
SW2 SW3 SW5 SW6: library part Button_SMD_3x4mm_2P, Supply Part Number="Nút Nhấn 3x4mm Cao 2.5mm 2 Chân SMD", Supply Name=Thegioiic, Supply URL=https://www.thegioiic.com/nut-nhan-3x4mm-cao-2-5mm-2-chan-smd
SW4: library part Button_SMD_4.5x4.7mm_4P, Supply Part Number="Nút Nhấn Rùa 4.5x4.7mm Cao 1.65mm 4 Chân SMD", Supply Name=Thegioiic, Supply URL=https://www.thegioiic.com/nut-nhan-rua-4-5x4-7mm-cao-1-65mm-4-chan-smd
TP1 TP2 TP3 TP4 TP5 TP6 TP7 TP8 TP9 TP10: library part Testpoint_SMD
TP11 TP12 TP13 TP14 TP15 TP16 TP17: library part Testpoint_TH, "Test Point TEST-1BK", Supply Name=BanLinhKien, Supply Part Number="Test Point TEST-1BK", Supply URL=https://banlinhkien.com/test-point-test1bk-mau-den-5c-p18255999.html
U1 U2: "Buck Switching Regulator IC Positive Adjustable 0.8V 1 Output 3A 8-SOIC _0.154, 3.90mm Width_ Exposed Pad", datasheet=https://www.monolithicpower.com/en/documentview/productdocument/index/version/2/document_type/Datasheet/lang/en/sku/MP1584EN-LF-Z/document_id/204/?srsltid=AfmBOopCyUDyOs-uLll4YtNPir4o4STehG4B04EkgGGTflYW96m-OPS4, Supply Name=tme, Supply Part Number=MP1584EN-LF-Z, Supply URL=http://www.tme.vn/Product.aspx?id=2070#page=pro_info
U3: "LDO Regulator IC 2.8V", Supply Part Number="IC nguồn XC6206P282MR XC6206-2.8V SOT-23", datasheet=https://product.torexsemi.com/system/files/series/xc6206.pdf, Supply Name=LinhKienThuDuc, Supply URL=https://linhkienthuduc.com/san-pham/ic-nguon-xc6206p282mr-xc6206-2-8v-sot-23/?srsltid=AfmBOoqd3LZKboXW9OfwVV72Gfw02pCDNwWKEzmEXcFyHjhIUeewssqN
U4: "LDO Regulator IC 1.2V", Supply Part Number="IC nguồn XC6206P122MR XC6206-1.2V SOT-23", datasheet=https://product.torexsemi.com/system/files/series/xc6206.pdf, Supply Name=LinhKienThuDuc, Supply URL=https://linhkienthuduc.com/san-pham/ic-nguon-xc6206p122mr-xc6206-1-2v-sot-23/?srsltid=AfmBOoqZu0g7j9WGKrjDl4O5a-JCOUfPSMG8bfJmSCZku9rh09-J63is
U5: "Vin: 4.5V ~ 20V, Vout: -Vin, 8-SOIC", Supply Part Number="IC Dán ICL7662", datasheet=https://www.analog.com/media/en/technical-documentation/data-sheets/icl7662-si7661.pdf, Supply Name=Chipn24, Supply URL=https://chipn24.com/sop-ic-dan-icl7662-sop-8-smd-icl7662cba-id9015.html
U6: "5.0V 1A Low dropout (LDO) Voltage Regulator", datasheet=http://www.advanced-monolithic.com/pdf/ds1117.pdf, Supply Name=tme, Supply Part Number=AMS1117-5.0, Supply URL=http://tme.vn/Product.aspx?id=437#page=pro_info
U7: "Bluetooth, WiFi 802.11b/g/n, Bluetooth v5.0 Transceiver Module 2.4GHz Antenna Not Included, U.FL Surface Mount", Supply Part Number="ESP32-S3-WROOM-1U-N16R8 Thu Phát Wifi BLE ESP32 16MB", datasheet=https://www.espressif.com/sites/default/files/documentation/esp32-s3_datasheet_en.pdf, Supply Name=DienTuTuyetNga, Supply URL=https://dientutuyetnga.com/products/esp32-s3-wroom-1u-n16r8-thu-phat-wifi-ble-esp32-16mb
U8: "Bluetooth, WiFi 802.11b/g/n, Bluetooth v5.0 Transceiver Module 2.4GHz Antenna Not Included, U.FL Surface Mount", Supply Part Number="ESP32-S3-WROOM-1U-N8R2 Module WiFi Bluetooth 8MB Flash, 2MB SRAM 2.4GHz", datasheet=https://www.espressif.com/sites/default/files/documentation/esp32-s3_datasheet_en.pdf, Supply Name=Thegioiic, Supply URL=https://www.thegioiic.com/esp32-s3-wroom-1u-n8r2-module-wifi-bluetooth-8mb-flash-2mb-sram-2-4ghz
U9: "1/1 Transceiver Half RS422, RS485 8-SOIC", Supply Part Number="MAX3485EESA+ Line Transceiver, 8-SOIC", datasheet=https://www.analog.com/media/en/technical-documentation/data-sheets/max3483e-max3491e.pdf, Supply Name=Thegioiic, Supply URL=https://www.thegioiic.com/max3485eesa-line-transceiver-8-soic
U10: "Voltage Reference IC 2.5V", Supply Part Number="MCP1525T-I/TT IC Tham Chiếu Điện Áp 2.5V SOT-23", datasheet=https://ww1.microchip.com/downloads/aemDocuments/documents/APID/ProductDocuments/DataSheets/21653C.pdf, Supply Name=Thegioiic, Supply URL=https://www.thegioiic.com/mcp1525t-i-tt-ic-tham-chieu-dien-ap-2-5v-sot-23
U11 U12 U13 U14 U15: "Low Noise Single/Dual Operational Amplifier - SOIC-8", datasheet=https://www.ti.com/lit/ds/symlink/ne5532.pdf, Supply Name=tme, Supply Part Number=NE5532DR, Supply URL=http://www.tme.vn/Product.aspx?id=2122#page=pro_info
U16: Supply Part Number="ADS1115IDGSR IC ADC 16-Bit Sigma-Delta 10-VSSOP", datasheet=https://www.ti.com/lit/ds/symlink/ads1114.pdf?ts=1737360738578&ref_url=https%253A%252F%252Fwww.google.com%252F, Supply Name=Thegioiic, Supply URL=https://www.thegioiic.com/ads1115idgsr-ic-adc-16-bit-sigma-delta-10-vssop
U17: "12 Bit Digital to Analog Converter 2 8-SOIC", Supply Part Number="MCP4822-E/SN SOIC-8 DAC 12Bit Chính Hãng Microchip", datasheet=https://ww1.microchip.com/downloads/aemDocuments/documents/OTH/ProductDocuments/DataSheets/20002249B.pdf, Supply Name=BanLinhKien, Supply URL=https://banlinhkien.com/m4822esn-soic8-dac-12bit-chinh-hang-microchip-p6651182.html
U18 U19 U20 U21: "Optocoupler DC-IN 1-CH Transistor DC-OUT 4-Pin", Supply Part Number="PC817X2NIPW Optoisolator Transistor Output 5000Vrms 1 Channel, SOP-4", datasheet=https://www.alldatasheet.com/datasheet-pdf/view/525168/SHARP/PC817X2NIP0F.html, Supply Name=Thegioiic, Supply URL=https://www.thegioiic.com/pc817x2nipw-optoisolator-transistor-output-5000vrms-1-channel-sop-4
U22: "Real Time Clock (RTC) IC Clock/Calendar - I²C, 2-Wire Serial 16-SOIC (0.295, 7.50mm Width)", Supply Part Number="DS3231SN#T&R IC RTC Clock/Calendar", datasheet=https://www.mouser.com/datasheet/2/256/DS3231-102175.pdf, Supply Name=Thegioiic, Supply URL=https://www.thegioiic.com/ds3231sn-t-r-ic-rtc-clock-calendar-16-sop
U23 U24: "1/1 Transceiver Half CANbus", Supply Part Number="SN65HVD230DR CAN Transceiver 8-SOIC", datasheet=https://www.ti.com/lit/ds/symlink/sn65hvd230.pdf, Supply Name=Thegioiic, Supply URL=https://www.thegioiic.com/sn65hvd230dr-can-transceiver-8-soic

## Via types
v1: diameter 0.8, hole 0.4, Top Layer to Bottom Layer, tented both sides, 517 vias

## Nets (pads, with @x,y where several pads share a name; then routed paths per layer and width w, separated by ;. In a path a pad name is that pad's centre, name@x,y a point inside that pad or via, vN(x,y) a via of type N, cw(c..) or ccw(c..) an arc to the next point about the centre after c; other vN are vias at no path point)
0_10V_IN: P4.1 R70.1 TP14.1 | length 13
  Top Layer w0.203: R70.1@58.156,0.968 R70.1@58.165,0.976
  Top Layer w0.254: R70.1@58.156,0.968 60.818,0.968 61.735,1.885 P4.1@61.735,8.175 61.75,8.19 TP14.1@61.75,10.925
0_10V_OUT: P4.3 TP17.1 U15.6 U15.7 | length 12.4
  Top Layer w0.254: U15.6@63.981,17.594 U15.7@65.251,17.594 65.251,12.279 P4.3@69.355,8.175